# Altium PCB PCB1.PcbDoc (part 14 of 14)
Units mm, origin at the board's own origin, x right, y up, seen from the top; angles counter-clockwise.
Board outline 77.2 x 62.23 mm, 2 copper layers (Top Layer, Bottom Layer); 102 components, 131 nets, 23089 pads, 324 vias.
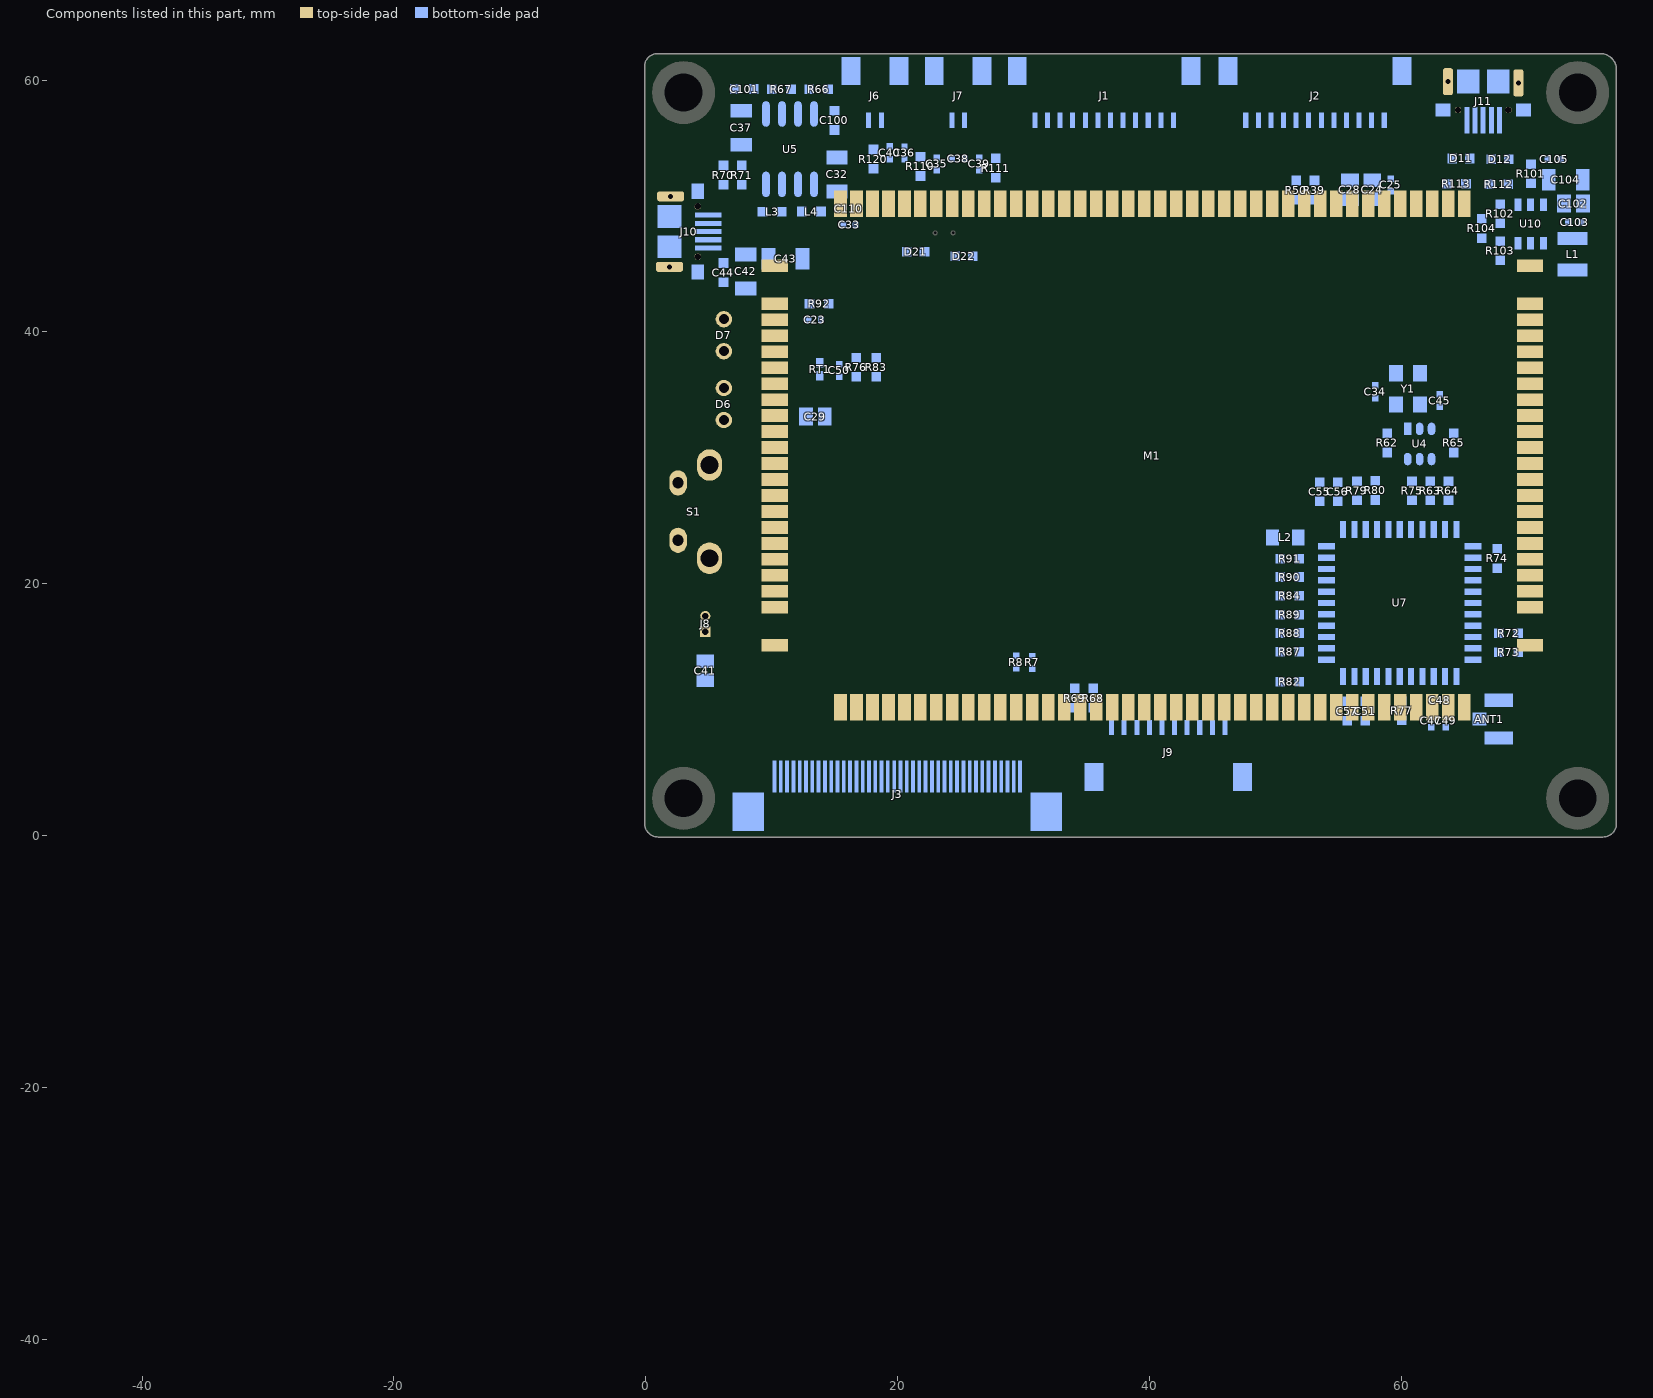
[diagram p14: the components of this part, seen from the top]

## Silkscreen, mask and mechanical layers (free items; w line width, h text height) (continued)
Mechanical 8:
  drawing of 9558 lines, arcs and shapes, not listed
  text "U5" at -45.288,-40.468 h0 r90
  text "U5" at -45.288,-40.468 h0 r90
  text "U5" at -45.288,-40.468 h0 r90
  text "C37" at -45.287,-40.467 h0
  text "C37" at -45.287,-40.467 h0
  text "C37" at -45.287,-40.467 h0
  text "R70" at -45.287,-40.473 h0 r90
  text "R70" at -45.287,-40.473 h0 r90
  text "R70" at -45.287,-40.473 h0 r90
  text "R71" at -45.286,-40.473 h0 r90
  text "R71" at -45.286,-40.473 h0 r90
  text "R71" at -45.286,-40.473 h0 r90
  text "C101" at -45.285,-40.463 h0
  text "C101" at -45.285,-40.463 h0
  text "C101" at -45.285,-40.463 h0
  text "R67" at -45.282,-40.463 h0
  text "R67" at -45.282,-40.463 h0
  text "R67" at -45.282,-40.463 h0
  text "R66" at -45.28,-40.463 h0
  text "R66" at -45.28,-40.463 h0
  text "R66" at -45.28,-40.463 h0
  text "C100" at -45.277,-40.466 h0 r90
  text "C100" at -45.277,-40.466 h0 r90
  text "C100" at -45.277,-40.466 h0 r90
  text "R120" at -45.276,-40.468 h0 r90
  text "R120" at -45.276,-40.468 h0 r90
  text "R120" at -45.276,-40.468 h0 r90
  text "C32" at -45.276,-40.473 h0
  text "C32" at -45.276,-40.473 h0
  text "C32" at -45.276,-40.473 h0
  text "C110" at -45.274,-40.474 h0
  text "C110" at -45.274,-40.474 h0
  text "C110" at -45.274,-40.474 h0
  text "C40" at -45.274,-40.466 h0 r90
  text "C40" at -45.274,-40.466 h0 r90
  text "C40" at -45.274,-40.466 h0 r90
  text "C36" at -45.273,-40.466 h0 r90
  text "C36" at -45.273,-40.466 h0 r90
  text "C36" at -45.273,-40.466 h0 r90
  text "J6" at -45.272,-40.465 h0
  text "J6" at -45.272,-40.465 h0
  text "J6" at -45.272,-40.465 h0
  text "R110" at -45.272,-40.467 h0 r90
  text "R110" at -45.272,-40.467 h0 r90
  text "R110" at -45.272,-40.467 h0 r90
  text "C35" at -45.27,-40.467 h0 r90
  text "C35" at -45.27,-40.467 h0 r90
  text "C35" at -45.27,-40.467 h0 r90
  text "C38" at -45.268,-40.468 h0
  text "C38" at -45.268,-40.468 h0
  text "C38" at -45.268,-40.468 h0
  text "C39" at -45.267,-40.467 h0 r90
  text "C39" at -45.267,-40.467 h0 r90
  text "C39" at -45.267,-40.467 h0 r90
  text "R111" at -45.266,-40.467 h0 r90
  text "R111" at -45.266,-40.467 h0 r90
  text "R111" at -45.266,-40.467 h0 r90
  text "J7" at -45.265,-40.465 h0
  text "J7" at -45.265,-40.465 h0
  text "J7" at -45.265,-40.465 h0
  text "J1" at -45.249,-40.467 h0
  text "J1" at -45.249,-40.467 h0
  text "J1" at -45.249,-40.467 h0
  text "J2" at -45.245,-40.468 h0
  text "J2" at -45.245,-40.468 h0
  text "J2" at -45.245,-40.468 h0
  text "R50" at -45.242,-40.474 h0 r90
  text "R50" at -45.242,-40.474 h0 r90
  text "R50" at -45.242,-40.474 h0 r90
  text "R39" at -45.24,-40.474 h0 r90
  text "R39" at -45.24,-40.474 h0 r90
  text "R39" at -45.24,-40.474 h0 r90
  text "C28" at -45.238,-40.474 h0 r90
  text "C28" at -45.238,-40.474 h0 r90
  text "C28" at -45.238,-40.474 h0 r90
  text "C24" at -45.236,-40.474 h0 r90
  text "C24" at -45.236,-40.474 h0 r90
  text "C24" at -45.236,-40.474 h0 r90
  text "C25" at -45.234,-40.474 h0 r90
  text "C25" at -45.234,-40.474 h0 r90
  text "C25" at -45.234,-40.474 h0 r90
  text "J11" at -45.231,-40.466 h0
  text "J11" at -45.231,-40.466 h0
  text "J11" at -45.231,-40.466 h0
  text "R104" at -45.23,-40.475 h0 r90
  text "R104" at -45.23,-40.475 h0 r90
  text "R104" at -45.23,-40.475 h0 r90
  text "D11" at -45.229,-40.469 h0
  text "D11" at -45.229,-40.469 h0
  text "D11" at -45.229,-40.469 h0
  text "R102" at -45.228,-40.474 h0 r90
  text "R102" at -45.228,-40.474 h0 r90
  text "R102" at -45.228,-40.474 h0 r90
  text "R113" at -45.228,-40.471 h0
  text "R113" at -45.228,-40.471 h0
  text "R113" at -45.228,-40.471 h0
  text "D12" at -45.225,-40.469 h0
  text "D12" at -45.225,-40.469 h0
  text "D12" at -45.225,-40.469 h0
  text "R112" at -45.225,-40.471 h0
  text "R112" at -45.225,-40.471 h0
  text "R112" at -45.225,-40.471 h0
  text "R101" at -45.223,-40.467 h0 r90
  text "R101" at -45.223,-40.467 h0 r90
  text "R101" at -45.223,-40.467 h0 r90
  text "C105" at -45.22,-40.468 h0
  text "C105" at -45.22,-40.468 h0
  text "C105" at -45.22,-40.468 h0
  text "C104" at -45.217,-40.469 h0
  text "C104" at -45.217,-40.469 h0
  text "C104" at -45.217,-40.469 h0
  text "C102" at -45.217,-40.47 h0
  text "C102" at -45.217,-40.47 h0
  text "C102" at -45.217,-40.47 h0
  text "C103" at -45.217,-40.475 h0
  text "C103" at -45.217,-40.475 h0
  text "C103" at -45.217,-40.475 h0
  text "J10" at -45.291,-40.48 h0 r90
  text "J10" at -45.291,-40.48 h0 r90
  text "J10" at -45.291,-40.48 h0 r90
  text "C44" at -45.287,-40.475 h0 r90
  text "C44" at -45.287,-40.475 h0 r90
  text "C44" at -45.287,-40.475 h0 r90
  text "C17" at -45.286,-40.491 h0 r90
  text "C17" at -45.286,-40.491 h0 r90
  text "C17" at -45.286,-40.491 h0 r90
  text "R29" at -45.286,-40.497 h0 r90
  text "R29" at -45.286,-40.497 h0 r90
  text "R29" at -45.286,-40.497 h0 r90
  text "D7" at -45.286,-40.484 h0 r90
  text "D7" at -45.286,-40.484 h0 r90
  text "D7" at -45.286,-40.484 h0 r90
  text "D6" at -45.285,-40.489 h0 r90
  text "D6" at -45.285,-40.489 h0 r90
  text "D6" at -45.285,-40.489 h0 r90
  text "C42" at -45.285,-40.475 h0 r90
  text "C42" at -45.285,-40.475 h0 r90
  text "C42" at -45.285,-40.475 h0 r90
  text "C13" at -45.285,-40.497 h0 r90
  text "C13" at -45.285,-40.497 h0 r90
  text "C13" at -45.285,-40.497 h0 r90
  text "R40" at -45.284,-40.491 h0 r90
  text "R40" at -45.284,-40.491 h0 r90
  text "R40" at -45.284,-40.491 h0 r90
  text "L3" at -45.283,-40.475 h0
  text "L3" at -45.283,-40.475 h0
  text "L3" at -45.283,-40.475 h0
  text "R43" at -45.283,-40.491 h0 r90
  text "R43" at -45.283,-40.491 h0 r90
  text "R43" at -45.283,-40.491 h0 r90
  text "C29" at -45.282,-40.49 h0
  text "C29" at -45.282,-40.49 h0
  text "C29" at -45.282,-40.49 h0
  text "R47" at -45.282,-40.491 h0 r90
  text "R47" at -45.282,-40.491 h0 r90
  text "R47" at -45.282,-40.491 h0 r90
  text "U2" at -45.281,-40.496 h0 r270
  text "U2" at -45.281,-40.496 h0 r270
  text "U2" at -45.281,-40.496 h0 r270
  text "C14" at -45.28,-40.491 h0 r90
  text "C14" at -45.28,-40.491 h0 r90
  text "C14" at -45.28,-40.491 h0 r90
  text "L4" at -45.28,-40.475 h0
  text "L4" at -45.28,-40.475 h0
  text "L4" at -45.28,-40.475 h0
  text "RT1" at -45.28,-40.483 h0 r90
  text "RT1" at -45.28,-40.483 h0 r90
  text "RT1" at -45.28,-40.483 h0 r90
  text "C18" at -45.279,-40.491 h0 r90
  text "C18" at -45.279,-40.491 h0 r90
  text "C18" at -45.279,-40.491 h0 r90
  text "C43" at -45.279,-40.478 h0
  text "C43" at -45.279,-40.478 h0
  text "C43" at -45.279,-40.478 h0
  text "R41" at -45.278,-40.491 h0 r90
  text "R41" at -45.278,-40.491 h0 r90
  text "R41" at -45.278,-40.491 h0 r90
  text "C50" at -45.278,-40.483 h0 r90
  text "C50" at -45.278,-40.483 h0 r90
  text "C50" at -45.278,-40.483 h0 r90
  text "R76" at -45.277,-40.483 h0 r90
  text "R92" at -45.277,-40.481 h0
  text "R76" at -45.277,-40.483 h0 r90
  text "R92" at -45.277,-40.481 h0
  text "R92" at -45.277,-40.481 h0
  text "R76" at -45.277,-40.483 h0 r90
  text "C23" at -45.277,-40.482 h0
  text "C23" at -45.277,-40.482 h0
  text "C23" at -45.277,-40.482 h0
  text "D5" at -45.276,-40.492 h0
  text "D5" at -45.276,-40.492 h0
  text "D5" at -45.276,-40.492 h0
  text "R83" at -45.275,-40.483 h0 r90
  text "R83" at -45.275,-40.483 h0 r90
  text "R83" at -45.275,-40.483 h0 r90
  text "C33" at -45.274,-40.475 h0
  text "C33" at -45.274,-40.475 h0
  text "C33" at -45.274,-40.475 h0
  text "R31" at -45.273,-40.494 h0 r90
  text "R44" at -45.273,-40.5 h0 r90
  text "R31" at -45.273,-40.494 h0 r90
  text "R44" at -45.273,-40.5 h0 r90
  text "R44" at -45.273,-40.5 h0 r90
  text "R31" at -45.273,-40.494 h0 r90
  text "R32" at -45.273,-40.497 h0 r90
  text "R32" at -45.273,-40.497 h0 r90
  text "R32" at -45.273,-40.497 h0 r90
  text "R48" at -45.273,-40.5 h0 r90
  text "R48" at -45.273,-40.5 h0 r90
  text "R48" at -45.273,-40.5 h0 r90
  text "R37" at -45.273,-40.494 h0 r90
  text "R37" at -45.273,-40.494 h0 r90
  text "R37" at -45.273,-40.494 h0 r90
  text "R38" at -45.273,-40.497 h0 r90
  text "R38" at -45.273,-40.497 h0 r90
  text "R38" at -45.273,-40.497 h0 r90
  text "D4" at -45.273,-40.492 h0
  text "D4" at -45.273,-40.492 h0
  text "D4" at -45.273,-40.492 h0
  text "D21" at -45.271,-40.478 h0
  text "D21" at -45.271,-40.478 h0
  text "D21" at -45.271,-40.478 h0
  text "R7" at -45.27,-40.493 h0
  text "R13" at -45.27,-40.492 h0
  text "R14" at -45.27,-40.494 h0
  text "R7" at -45.27,-40.493 h0
  text "R13" at -45.27,-40.492 h0
  text "R14" at -45.27,-40.494 h0
  text "R14" at -45.27,-40.494 h0
  text "R13" at -45.27,-40.492 h0
  text "R7" at -45.27,-40.493 h0
  text "R8" at -45.27,-40.494 h0
  text "R16" at -45.27,-40.495 h0
  text "R8" at -45.27,-40.494 h0
  text "R16" at -45.27,-40.495 h0
  text "R16" at -45.27,-40.495 h0
  text "R8" at -45.27,-40.494 h0
  text "D22" at -45.268,-40.479 h0
  text "D22" at -45.268,-40.479 h0
  text "D22" at -45.268,-40.479 h0
  text "D2" at -45.267,-40.493 h0
  text "D2" at -45.267,-40.493 h0
  text "D2" at -45.267,-40.493 h0
  text "R19" at -45.266,-40.495 h0
  text "R24" at -45.266,-40.494 h0
  text "R19" at -45.266,-40.495 h0
  text "R24" at -45.266,-40.494 h0
  text "R24" at -45.266,-40.494 h0
  text "R19" at -45.266,-40.495 h0
  text "R20" at -45.266,-40.497 h0
  text "R22" at -45.266,-40.496 h0
  text "R20" at -45.266,-40.497 h0
  text "R22" at -45.266,-40.496 h0
  text "R22" at -45.266,-40.496 h0
  text "R20" at -45.266,-40.497 h0
  text "R23" at -45.263,-40.497 h0
  text "R23" at -45.263,-40.497 h0
  text "R23" at -45.263,-40.497 h0
  text "R18" at -45.26,-40.497 h0
  text "R21" at -45.26,-40.498 h0
  text "R18" at -45.26,-40.497 h0
  text "R21" at -45.26,-40.498 h0
  text "R21" at -45.26,-40.498 h0
  text "R18" at -45.26,-40.497 h0
  text "R17" at -45.26,-40.498 h0
  text "R17" at -45.26,-40.498 h0
  text "R17" at -45.26,-40.498 h0
  text "R3" at -45.259,-40.5 h0
  text "R3" at -45.259,-40.5 h0
  text "R3" at -45.259,-40.5 h0
  text "R9" at -45.259,-40.499 h0
  text "R9" at -45.259,-40.499 h0
  text "R9" at -45.259,-40.499 h0
  text "D1" at -45.255,-40.479 h0 r90
  text "D1" at -45.255,-40.479 h0 r90
  text "D1" at -45.255,-40.479 h0 r90
  text "R10" at -45.254,-40.5 h0
  text "R10" at -45.254,-40.5 h0
  text "R10" at -45.254,-40.5 h0
  text "R55" at -45.248,-40.485 h0 r90
  text "R55" at -45.248,-40.485 h0 r90
  text "R55" at -45.248,-40.485 h0 r90
  text "R54" at -45.248,-40.482 h0 r90
  text "R56" at -45.248,-40.488 h0 r90
  text "R54" at -45.248,-40.482 h0 r90
  text "R56" at -45.248,-40.488 h0 r90
  text "R56" at -45.248,-40.488 h0 r90
  text "R54" at -45.248,-40.482 h0 r90
  text "R53" at -45.248,-40.491 h0 r90
  text "R53" at -45.248,-40.491 h0 r90
  text "R53" at -45.248,-40.491 h0 r90
  text "L2" at -45.245,-40.499 h0
  text "L2" at -45.245,-40.499 h0
  text "L2" at -45.245,-40.499 h0
  text "C31" at -45.244,-40.479 h0 r90
  text "C31" at -45.244,-40.479 h0 r90
  text "C31" at -45.244,-40.479 h0 r90
  text "C55" at -45.244,-40.496 h0 r90
  text "C55" at -45.244,-40.496 h0 r90
  text "C55" at -45.244,-40.496 h0 r90
  text "C30" at -45.243,-40.479 h0 r90
  text "C30" at -45.243,-40.479 h0 r90
  text "C30" at -45.243,-40.479 h0 r90
  text "C56" at -45.243,-40.496 h0 r90
  text "C56" at -45.243,-40.496 h0 r90
  text "C56" at -45.243,-40.496 h0 r90
  text "U3" at -45.242,-40.494 h0 r90
  text "U3" at -45.242,-40.494 h0 r90
  text "U3" at -45.242,-40.494 h0 r90
  text "R79" at -45.242,-40.496 h0 r90
  text "R79" at -45.242,-40.496 h0 r90
  text "R79" at -45.242,-40.496 h0 r90
  text "R52" at -45.242,-40.479 h0 r90
  text "R52" at -45.242,-40.479 h0 r90
  text "R52" at -45.242,-40.479 h0 r90
  text "R80" at -45.241,-40.496 h0 r90
  text "R80" at -45.241,-40.496 h0 r90
  text "R80" at -45.241,-40.496 h0 r90
  text "D3" at -45.24,-40.479 h0 r90
  text "D3" at -45.24,-40.479 h0 r90
  text "D3" at -45.24,-40.479 h0 r90
  text "C22" at -45.239,-40.479 h0 r90
  text "C22" at -45.239,-40.479 h0 r90
  text "C22" at -45.239,-40.479 h0 r90
  text "R58" at -45.237,-40.479 h0 r90
  text "R58" at -45.237,-40.479 h0 r90
  text "R58" at -45.237,-40.479 h0 r90
  text "R59" at -45.236,-40.479 h0 r90
  text "R59" at -45.236,-40.479 h0 r90
  text "R59" at -45.236,-40.479 h0 r90
  text "C27" at -45.235,-40.48 h0 r90
  text "C27" at -45.235,-40.48 h0 r90
  text "C27" at -45.235,-40.48 h0 r90
  text "C21" at -45.234,-40.48 h0 r90
  text "C21" at -45.234,-40.48 h0 r90
  text "C21" at -45.234,-40.48 h0 r90
  text "C26" at -45.229,-40.484 h0 r90
  text "R60" at -45.229,-40.487 h0 r90
  text "C26" at -45.229,-40.484 h0 r90
  text "R60" at -45.229,-40.487 h0 r90
  text "R60" at -45.229,-40.487 h0 r90
  text "C26" at -45.229,-40.484 h0 r90
  text "R57" at -45.229,-40.486 h0 r90
  text "R57" at -45.229,-40.486 h0 r90
  text "R57" at -45.229,-40.486 h0 r90
  text "R103" at -45.228,-40.476 h0 r90
  text "R103" at -45.228,-40.476 h0 r90
  text "R103" at -45.228,-40.476 h0 r90
  text "R61" at -45.228,-40.484 h0 r90
  text "R61" at -45.228,-40.484 h0 r90
  text "R61" at -45.228,-40.484 h0 r90
  text "R75" at -45.228,-40.496 h0 r90
  text "R75" at -45.228,-40.496 h0 r90
  text "R75" at -45.228,-40.496 h0 r90
  text "R63" at -45.228,-40.496 h0 r90
  text "R63" at -45.228,-40.496 h0 r90
  text "R63" at -45.228,-40.496 h0 r90
  text "R51" at -45.227,-40.483 h0
  text "R51" at -45.227,-40.483 h0
  text "R51" at -45.227,-40.483 h0
  text "C34" at -45.227,-40.484 h0 r90
  text "C34" at -45.227,-40.484 h0 r90
  text "C34" at -45.227,-40.484 h0 r90
  text "R62" at -45.227,-40.487 h0 r90
  text "R62" at -45.227,-40.487 h0 r90
  text "R62" at -45.227,-40.487 h0 r90
  text "R64" at -45.227,-40.496 h0 r90
  text "R64" at -45.227,-40.496 h0 r90
  text "R64" at -45.227,-40.496 h0 r90
  text "Y1" at -45.226,-40.485 h0
  text "Y1" at -45.226,-40.485 h0
  text "Y1" at -45.226,-40.485 h0
  text "U4" at -45.226,-40.487 h0 r90
  text "U4" at -45.226,-40.487 h0 r90
  text "U4" at -45.226,-40.487 h0 r90
  text "R30" at -45.226,-40.483 h0
  text "R30" at -45.226,-40.483 h0
  text "R30" at -45.226,-40.483 h0
  text "C45" at -45.225,-40.484 h0 r90
  text "C45" at -45.225,-40.484 h0 r90
  text "C45" at -45.225,-40.484 h0 r90
  text "R65" at -45.225,-40.487 h0 r90
  text "R65" at -45.225,-40.487 h0 r90
  text "R65" at -45.225,-40.487 h0 r90
  text "U10" at -45.223,-40.479 h0 r270
  text "U10" at -45.223,-40.479 h0 r270
  text "U10" at -45.223,-40.479 h0 r270
  text "L1" at -45.217,-40.477 h0 r90
  text "L1" at -45.217,-40.477 h0 r90
  text "L1" at -45.217,-40.477 h0 r90
  text "J8" at -45.291,-40.507 h0 r90
  text "J8" at -45.291,-40.507 h0 r90
  text "J8" at -45.291,-40.507 h0 r90
  text "S1" at -45.29,-40.503 h0 r90
  text "S1" at -45.29,-40.503 h0 r90
  text "S1" at -45.29,-40.503 h0 r90
  text "C41" at -45.29,-40.509 h0 r90
  text "C41" at -45.29,-40.509 h0 r90
  text "C41" at -45.29,-40.509 h0 r90
  text "R35" at -45.287,-40.503 h0 r90
  text "R35" at -45.287,-40.503 h0 r90
  text "R35" at -45.287,-40.503 h0 r90
  text "R49" at -45.287,-40.503 h0 r90
  text "R49" at -45.287,-40.503 h0 r90
  text "R49" at -45.287,-40.503 h0 r90
  text "C20" at -45.286,-40.5 h0 r90
  text "C20" at -45.286,-40.5 h0 r90
  text "C20" at -45.286,-40.5 h0 r90
  text "C11" at -45.285,-40.51 h0 r90
  text "C11" at -45.285,-40.51 h0 r90
  text "C11" at -45.285,-40.51 h0 r90
  text "R46" at -45.285,-40.503 h0
  text "R46" at -45.285,-40.503 h0
  text "R46" at -45.285,-40.503 h0
  text "C19" at -45.285,-40.5 h0 r90
  text "C19" at -45.285,-40.5 h0 r90
  text "C19" at -45.285,-40.5 h0 r90
  text "R25" at -45.284,-40.51 h0 r90
  text "R25" at -45.284,-40.51 h0 r90
  text "R25" at -45.284,-40.51 h0 r90
  text "R36" at -45.283,-40.51 h0 r90
  text "R36" at -45.283,-40.51 h0 r90
  text "R36" at -45.283,-40.51 h0 r90
  text "C16" at -45.281,-40.509 h0 r90
  text "C16" at -45.281,-40.509 h0 r90
  text "C16" at -45.281,-40.509 h0 r90
  text "C15" at -45.281,-40.505 h0 r90
  text "C15" at -45.281,-40.505 h0 r90
  text "C15" at -45.281,-40.505 h0 r90
  text "C12" at -45.28,-40.509 h0 r90
  text "C12" at -45.28,-40.509 h0 r90
  text "C12" at -45.28,-40.509 h0 r90
  text "R26" at -45.279,-40.509 h0 r90
  text "R26" at -45.279,-40.509 h0 r90
  text "R26" at -45.279,-40.509 h0 r90
  text "R28" at -45.277,-40.509 h0 r90
  text "R28" at -45.277,-40.509 h0 r90
  text "R28" at -45.277,-40.509 h0 r90
  text "R34" at -45.276,-40.509 h0 r90
  text "R34" at -45.276,-40.509 h0 r90
  text "R34" at -45.276,-40.509 h0 r90
  text "R42" at -45.276,-40.511 h0 r90
  text "R42" at -45.276,-40.511 h0 r90
  text "R42" at -45.276,-40.511 h0 r90
  text "R45" at -45.275,-40.511 h0 r90
  text "R45" at -45.275,-40.511 h0 r90
  text "R45" at -45.275,-40.511 h0 r90
  text "R27" at -45.275,-40.509 h0 r90
  text "R27" at -45.275,-40.509 h0 r90
  text "R27" at -45.275,-40.509 h0 r90
  text "R33" at -45.274,-40.511 h0 r90
  text "R33" at -45.274,-40.511 h0 r90
  text "R33" at -45.274,-40.511 h0 r90
  text "J4" at -45.273,-40.515 h0
  text "J4" at -45.273,-40.515 h0
  text "J4" at -45.273,-40.515 h0
  text "R6" at -45.272,-40.506 h0
  text "R6" at -45.272,-40.506 h0
  text "R6" at -45.272,-40.506 h0
  text "C7" at -45.272,-40.508 h0
  text "R15" at -45.272,-40.507 h0
  text "C7" at -45.272,-40.508 h0
  text "R15" at -45.272,-40.507 h0
  text "R15" at -45.272,-40.507 h0
  text "C7" at -45.272,-40.508 h0
  text "C8" at -45.272,-40.503 h0
  text "C8" at -45.272,-40.503 h0
  text "C8" at -45.272,-40.503 h0
  text "C4" at -45.271,-40.504 h0
  text "C4" at -45.271,-40.504 h0
  text "C4" at -45.271,-40.504 h0
  text "U1" at -45.268,-40.506 h0
  text "U1" at -45.268,-40.506 h0
  text "U1" at -45.268,-40.506 h0
  text "C3" at -45.267,-40.511 h0
  text "R5" at -45.267,-40.511 h0
  text "C3" at -45.267,-40.511 h0
  text "R5" at -45.267,-40.511 h0
  text "R5" at -45.267,-40.511 h0
  text "C3" at -45.267,-40.511 h0
  text "C5" at -45.263,-40.511 h0
  text "C5" at -45.263,-40.511 h0
  text "C5" at -45.263,-40.511 h0
  text "R11" at -45.263,-40.512 h0
  text "R11" at -45.263,-40.512 h0
  text "R11" at -45.263,-40.512 h0
  text "C1" at -45.261,-40.511 h0
  text "R1" at -45.261,-40.511 h0
  text "C1" at -45.261,-40.511 h0
  text "R1" at -45.261,-40.511 h0
  text "R1" at -45.261,-40.511 h0
  text "C1" at -45.261,-40.511 h0
  text "R69" at -45.261,-40.512 h0 r90
  text "R69" at -45.261,-40.512 h0 r90
  text "R69" at -45.261,-40.512 h0 r90
  text "J3" at -45.26,-40.515 h0
  text "J3" at -45.26,-40.515 h0
  text "J3" at -45.26,-40.515 h0
  text "R68" at -45.257,-40.512 h0 r90
  text "R68" at -45.257,-40.512 h0 r90
  text "R68" at -45.257,-40.512 h0 r90
  text "C9" at -45.255,-40.505 h0
  text "C9" at -45.255,-40.505 h0
  text "C9" at -45.255,-40.505 h0
  text "C2" at -45.255,-40.508 h0
  text "C2" at -45.255,-40.508 h0
  text "C2" at -45.255,-40.508 h0
  text "C6" at -45.255,-40.509 h0
  text "C6" at -45.255,-40.509 h0
  text "C6" at -45.255,-40.509 h0
  text "R2" at -45.255,-40.506 h0
  text "R2" at -45.255,-40.506 h0
  text "R2" at -45.255,-40.506 h0
  text "R12" at -45.254,-40.51 h0
  text "R12" at -45.254,-40.51 h0
  text "R12" at -45.254,-40.51 h0
  text "R4" at -45.254,-40.502 h0
  text "R4" at -45.254,-40.502 h0
  text "R4" at -45.254,-40.502 h0
  text "C10" at -45.254,-40.504 h0
  text "C10" at -45.254,-40.504 h0
  text "C10" at -45.254,-40.504 h0
  text "J9" at -45.245,-40.514 h0
  text "J9" at -45.245,-40.514 h0
  text "J9" at -45.245,-40.514 h0
  text "R82" at -45.245,-40.511 h0
  text "R84" at -45.245,-40.505 h0
  text "R87" at -45.245,-40.509 h0
  text "R88" at -45.245,-40.508 h0
  text "R89" at -45.245,-40.506 h0
  text "R90" at -45.245,-40.503 h0
  text "R91" at -45.245,-40.501 h0
  text "R82" at -45.245,-40.511 h0
  text "R84" at -45.245,-40.505 h0
  text "R87" at -45.245,-40.509 h0
  text "R88" at -45.245,-40.508 h0
  text "R89" at -45.245,-40.506 h0
  text "R90" at -45.245,-40.503 h0
  text "R91" at -45.245,-40.501 h0
  text "R91" at -45.245,-40.501 h0
  text "R90" at -45.245,-40.503 h0
  text "R89" at -45.245,-40.506 h0
  text "R88" at -45.245,-40.508 h0
  text "R87" at -45.245,-40.509 h0
  text "R84" at -45.245,-40.505 h0
  text "R82" at -45.245,-40.511 h0
  text "C57" at -45.238,-40.515 h0 r90
  text "C57" at -45.238,-40.515 h0 r90
  text "C57" at -45.238,-40.515 h0 r90
  text "C51" at -45.237,-40.515 h0 r90
  text "C51" at -45.237,-40.515 h0 r90
  text "C51" at -45.237,-40.515 h0 r90
  text "R77" at -45.234,-40.515 h0 r90
  text "R77" at -45.234,-40.515 h0 r90
  text "R77" at -45.234,-40.515 h0 r90
  text "C47" at -45.231,-40.516 h0 r90
  text "C47" at -45.231,-40.516 h0 r90
  text "C47" at -45.231,-40.516 h0 r90
  text "C48" at -45.23,-40.516 h0
  text "C48" at -45.23,-40.516 h0
  text "C48" at -45.23,-40.516 h0
  text "C49" at -45.23,-40.516 h0 r90
  text "C49" at -45.23,-40.516 h0 r90
  text "C49" at -45.23,-40.516 h0 r90
  text "U7" at -45.225,-40.505 h0
  text "U7" at -45.225,-40.505 h0
  text "U7" at -45.225,-40.505 h0
  text "R74" at -45.225,-40.501 h0 r90
  text "R74" at -45.225,-40.501 h0 r90
  text "R74" at -45.225,-40.501 h0 r90
  text "R72" at -45.222,-40.507 h0
  text "R73" at -45.222,-40.51 h0
  text "R72" at -45.222,-40.507 h0
  text "R73" at -45.222,-40.51 h0
  text "R73" at -45.222,-40.51 h0
  text "R72" at -45.222,-40.507 h0
  text "ANT1" at -45.221,-40.513 h0
  text "ANT1" at -45.221,-40.513 h0
  text "ANT1" at -45.221,-40.513 h0
Mechanical 9:
  lines w0: -45.294,-40.519 ccw(c-45.293,-40.519) -45.293,-40.52 ; -45.294,-40.519 ccw(c-45.293,-40.519) -45.293,-40.52 ; -45.294,-40.519 ccw(c-45.293,-40.519) -45.293,-40.52 ; -45.293,-40.52 -45.218,-40.52 ; -45.294,-40.519 -45.294,-40.465 ; -45.293,-40.52 -45.218,-40.52 ; -45.294,-40.519 -45.294,-40.465 ; -45.294,-40.519 -45.294,-40.465 ; -45.293,-40.52 -45.218,-40.52 ; -45.294,-40.465 -45.294,-40.464 ; -45.294,-40.465 -45.294,-40.464 ; -45.294,-40.465 -45.294,-40.464 ; -45.294,-40.464 -45.294,-40.462 ; -45.294,-40.464 -45.294,-40.462 ; -45.294,-40.464 -45.294,-40.462 ; -45.294,-40.462 cw(c-45.293,-40.462) -45.293,-40.461 ; -45.294,-40.462 cw(c-45.293,-40.462) -45.293,-40.461 ; -45.294,-40.462 cw(c-45.293,-40.462) -45.293,-40.461 ; -45.293,-40.461 -45.218,-40.461 ; -45.293,-40.461 -45.218,-40.461 ; -45.293,-40.461 -45.218,-40.461 ; -45.264,-40.495 -45.264,-40.482 ; -45.264,-40.495 -45.25,-40.495 ; -45.264,-40.495 -45.264,-40.482 ; -45.264,-40.495 -45.25,-40.495 ; -45.264,-40.495 -45.25,-40.495 ; -45.264,-40.495 -45.264,-40.482 ; -45.264,-40.482 -45.25,-40.482 ; -45.264,-40.482 -45.25,-40.482 ; -45.264,-40.482 -45.25,-40.482 ; -45.25,-40.495 -45.25,-40.482 ; -45.25,-40.495 -45.25,-40.482 ; -45.25,-40.495 -45.25,-40.482 ; -45.218,-40.52 ccw(c-45.218,-40.519) -45.217,-40.518 ; -45.218,-40.52 ccw(c-45.218,-40.519) -45.217,-40.518 ; -45.218,-40.52 ccw(c-45.218,-40.519) -45.217,-40.518 ; -45.218,-40.461 ccw(c-45.218,-40.461) -45.218,-40.461 ; -45.218,-40.461 ccw(c-45.218,-40.461) -45.218,-40.461 ; -45.218,-40.461 cw(c-45.218,-40.462) -45.217,-40.462 ; -45.218,-40.461 ccw(c-45.218,-40.461) -45.218,-40.461 ; -45.218,-40.461 ccw(c-45.218,-40.461) -45.218,-40.461 ; -45.218,-40.461 ccw(c-45.218,-40.461) -45.218,-40.461 ; -45.218,-40.461 ccw(c-45.218,-40.461) -45.218,-40.461 ; -45.218,-40.461 cw(c-45.218,-40.462) -45.217,-40.462 ; -45.218,-40.461 ccw(c-45.218,-40.461) -45.218,-40.461 ; -45.218,-40.461 ccw(c-45.218,-40.461) -45.218,-40.461 ; -45.218,-40.461 ccw(c-45.218,-40.461) -45.218,-40.461 ; -45.218,-40.461 ccw(c-45.218,-40.461) -45.218,-40.461 ; -45.218,-40.461 cw(c-45.218,-40.462) -45.217,-40.462 ; -45.218,-40.461 ccw(c-45.218,-40.461) -45.218,-40.461 ; -45.218,-40.461 ccw(c-45.218,-40.461) -45.218,-40.461 ; -45.217,-40.519 -45.217,-40.465 ; -45.217,-40.519 -45.217,-40.465 ; -45.217,-40.519 -45.217,-40.465 ; -45.217,-40.465 -45.217,-40.464 ; -45.217,-40.465 -45.217,-40.464 ; -45.217,-40.465 -45.217,-40.464 ; -45.217,-40.464 -45.217,-40.462 ; -45.217,-40.464 -45.217,-40.462 ; -45.217,-40.464 -45.217,-40.462
Mechanical 10:
  drawing of 201 lines, arcs and shapes, not listed
Mechanical 11:
  drawing of 498 lines, arcs and shapes, not listed
  text "M1" at -45.286,-40.513 h0
  text "M1" at -45.286,-40.513 h0
  text "M1" at -45.286,-40.513 h0
Mechanical 12:
  drawing of 372 lines, arcs and shapes, not listed
Mechanical 13:
  drawing of 1761 lines, arcs and shapes, not listed
Mechanical 14:
  drawing of 459 lines, arcs and shapes, not listed
Mechanical 15:
  drawing of 1848 lines, arcs and shapes, not listed
Mechanical 16:
  lines w0: -45.292,-40.479 ccw(c-45.292,-40.479) -45.292,-40.479 ; -45.292,-40.479 ccw(c-45.292,-40.479) -45.292,-40.479 ; -45.292,-40.479 ccw(c-45.292,-40.479) -45.292,-40.479 ; -45.292,-40.479 -45.292,-40.478 ; -45.292,-40.479 -45.292,-40.478 ; -45.292,-40.479 -45.292,-40.478 ; -45.292,-40.479 -45.292,-40.478 ; -45.292,-40.479 -45.292,-40.478 ; -45.292,-40.479 -45.292,-40.478 ; -45.292,-40.478 ccw(c-45.292,-40.478) -45.292,-40.478 ; -45.292,-40.478 ccw(c-45.292,-40.478) -45.292,-40.478 ; -45.292,-40.478 ccw(c-45.292,-40.478) -45.292,-40.478 ; -45.292,-40.473 ccw(c-45.292,-40.473) -45.292,-40.473 ; -45.292,-40.473 ccw(c-45.292,-40.473) -45.292,-40.473 ; -45.292,-40.473 ccw(c-45.292,-40.473) -45.292,-40.473 ; -45.292,-40.473 -45.292,-40.472 ; -45.292,-40.473 -45.292,-40.472 ; -45.292,-40.473 -45.292,-40.472 ; -45.292,-40.473 -45.292,-40.472 ; -45.292,-40.473 -45.292,-40.472 ; -45.292,-40.473 -45.292,-40.472 ; -45.292,-40.472 ccw(c-45.292,-40.472) -45.292,-40.472 ; -45.292,-40.472 ccw(c-45.292,-40.472) -45.292,-40.472 ; -45.292,-40.472 ccw(c-45.292,-40.472) -45.292,-40.472 ; -45.23,-40.463 ccw(c-45.23,-40.463) -45.23,-40.463 ; -45.23,-40.464 ccw(c-45.23,-40.464) -45.23,-40.464 ; -45.23,-40.463 ccw(c-45.23,-40.463) -45.23,-40.463 ; -45.23,-40.464 ccw(c-45.23,-40.464) -45.23,-40.464 ; -45.23,-40.464 ccw(c-45.23,-40.464) -45.23,-40.464 ; -45.23,-40.463 ccw(c-45.23,-40.463) -45.23,-40.463 ; -45.23,-40.464 -45.23,-40.463 ; -45.23,-40.464 -45.23,-40.463 ; -45.23,-40.464 -45.23,-40.463 ; -45.23,-40.464 -45.23,-40.463 ; -45.23,-40.464 -45.23,-40.463 ; -45.23,-40.464 -45.23,-40.463 ; -45.224,-40.463 ccw(c-45.224,-40.463) -45.224,-40.463 ; -45.224,-40.464 ccw(c-45.224,-40.464) -45.224,-40.464 ; -45.224,-40.463 ccw(c-45.224,-40.463) -45.224,-40.463 ; -45.224,-40.464 ccw(c-45.224,-40.464) -45.224,-40.464 ; -45.224,-40.464 ccw(c-45.224,-40.464) -45.224,-40.464 ; -45.224,-40.463 ccw(c-45.224,-40.463) -45.224,-40.463 ; -45.224,-40.464 -45.224,-40.463 ; -45.224,-40.464 -45.224,-40.463 ; -45.224,-40.464 -45.224,-40.463 ; -45.224,-40.464 -45.224,-40.463 ; -45.224,-40.464 -45.224,-40.463 ; -45.224,-40.464 -45.224,-40.463
  lines w0.001: -45.289,-40.502 cw(c-45.289,-40.501) -45.289,-40.501 ; -45.289,-40.502 ccw(c-45.289,-40.501) -45.289,-40.501 ; -45.289,-40.502 cw(c-45.289,-40.501) -45.289,-40.501 ; -45.289,-40.502 ccw(c-45.289,-40.501) -45.289,-40.501 ; -45.289,-40.502 ccw(c-45.289,-40.501) -45.289,-40.501 ; -45.289,-40.502 cw(c-45.289,-40.501) -45.289,-40.501 ; -45.289,-40.493 ccw(c-45.289,-40.494) -45.289,-40.494 ; -45.289,-40.494 ccw(c-45.289,-40.494) -45.289,-40.493 ; -45.289,-40.493 ccw(c-45.289,-40.494) -45.289,-40.494 ; -45.289,-40.494 ccw(c-45.289,-40.494) -45.289,-40.493 ; -45.289,-40.494 ccw(c-45.289,-40.494) -45.289,-40.493 ; -45.289,-40.493 ccw(c-45.289,-40.494) -45.289,-40.494
  lines w0.002: -45.291,-40.517 cw(c-45.291,-40.517) -45.29,-40.517 ; -45.291,-40.517 ccw(c-45.291,-40.517) -45.29,-40.517 ; -45.291,-40.517 cw(c-45.291,-40.517) -45.29,-40.517 ; -45.291,-40.517 ccw(c-45.291,-40.517) -45.29,-40.517 ; -45.291,-40.517 ccw(c-45.291,-40.517) -45.29,-40.517 ; -45.291,-40.517 cw(c-45.291,-40.517) -45.29,-40.517 ; -45.291,-40.464 cw(c-45.291,-40.464) -45.29,-40.464 ; -45.291,-40.464 ccw(c-45.291,-40.464) -45.29,-40.464 ; -45.291,-40.464 cw(c-45.291,-40.464) -45.29,-40.464 ; -45.291,-40.464 ccw(c-45.291,-40.464) -45.29,-40.464 ; -45.291,-40.464 ccw(c-45.291,-40.464) -45.29,-40.464 ; -45.291,-40.464 cw(c-45.291,-40.464) -45.29,-40.464 ; -45.22,-40.517 cw(c-45.22,-40.517) -45.219,-40.517 ; -45.22,-40.517 ccw(c-45.22,-40.517) -45.219,-40.517 ; -45.22,-40.517 cw(c-45.22,-40.517) -45.219,-40.517 ; -45.22,-40.517 ccw(c-45.22,-40.517) -45.219,-40.517 ; -45.22,-40.517 ccw(c-45.22,-40.517) -45.219,-40.517 ; -45.22,-40.517 cw(c-45.22,-40.517) -45.219,-40.517 ; -45.22,-40.464 cw(c-45.22,-40.464) -45.219,-40.464 ; -45.22,-40.464 ccw(c-45.22,-40.464) -45.219,-40.464 ; -45.22,-40.464 cw(c-45.22,-40.464) -45.219,-40.464 ; -45.22,-40.464 ccw(c-45.22,-40.464) -45.219,-40.464 ; -45.22,-40.464 ccw(c-45.22,-40.464) -45.219,-40.464 ; -45.22,-40.464 cw(c-45.22,-40.464) -45.219,-40.464

## Dimensions
0,61.062 to 77,60.869 on Keep-Out Layer
0.896,62.005 to 0,0.025 on Keep-Out Layer

## Text inside footprints (layer, text, board x,y; h text height)
J10: Bottom Overlay "+" at 5.205,44.951 h1 r270
J11: Bottom Overlay "+" at 63.5,56.541 h1 r180
U5: Bottom Overlay "*" at 10.033,56.134 h1.02 r90